# Altium PCB mppt.PcbDoc (part 2 of 5) (continued)
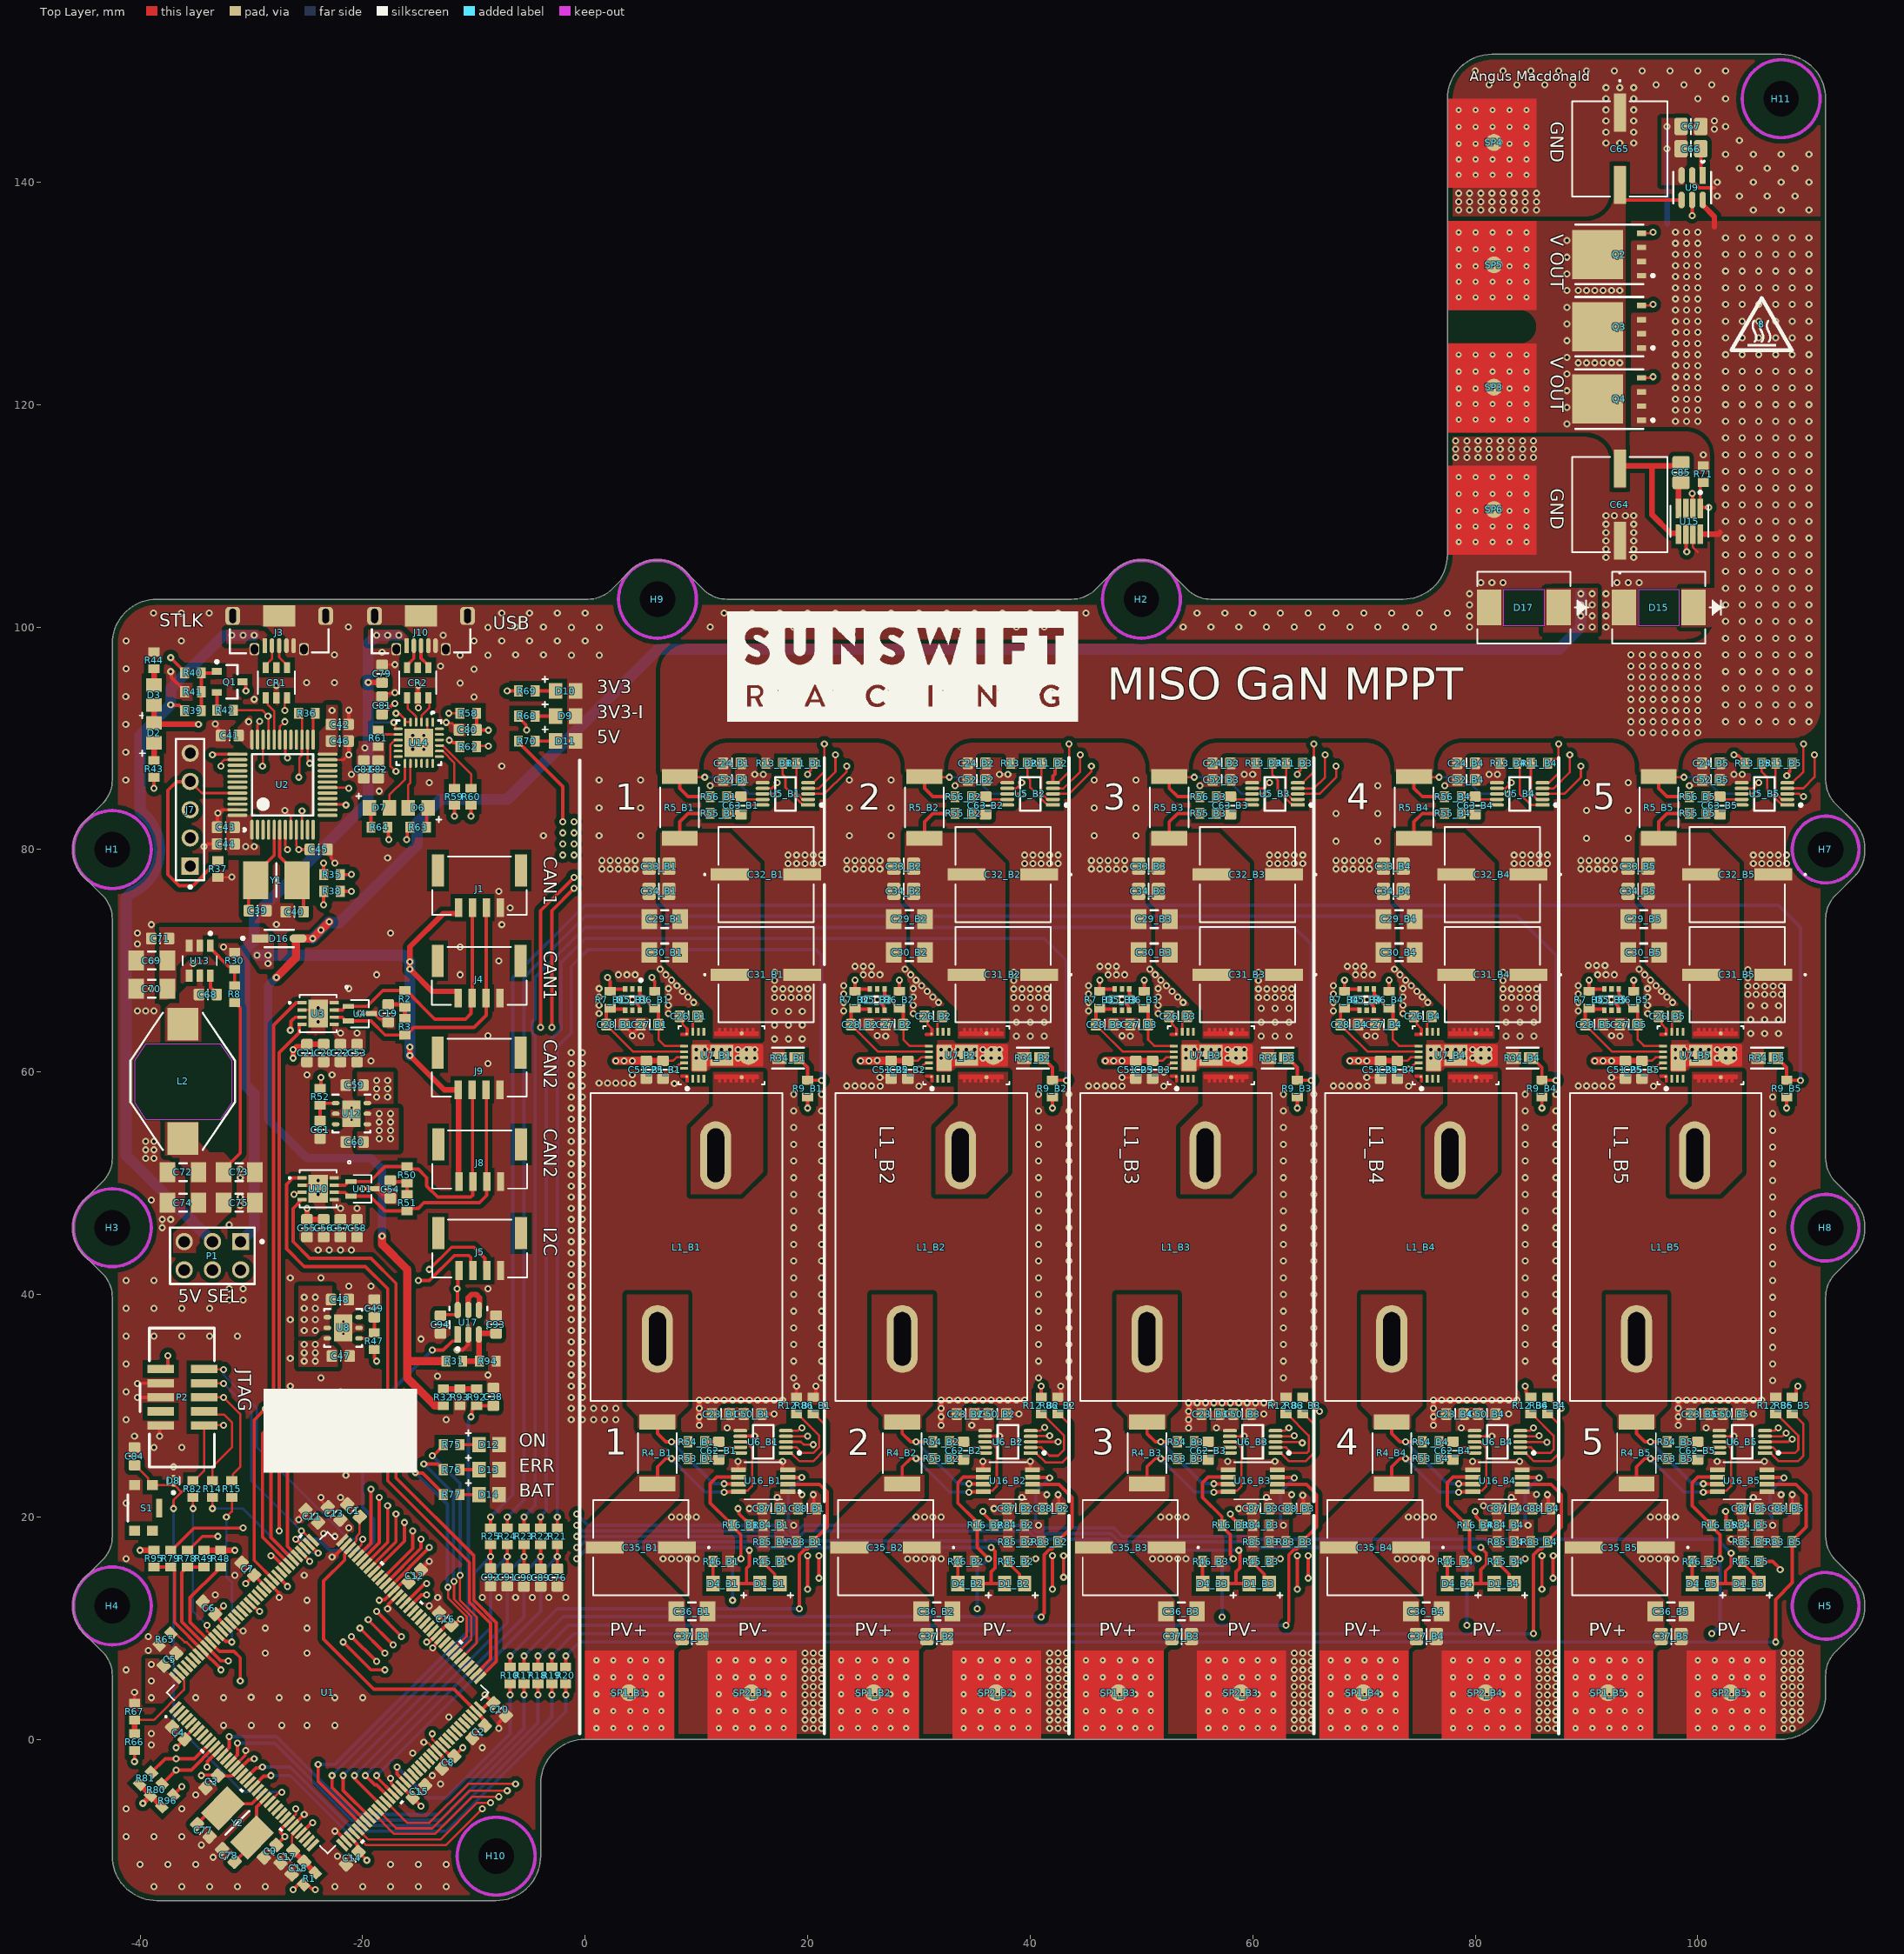
[diagram p0: Top Layer view]
## Part data (continued)
C39 C40 C77 C78: library part CMP-00295-1, "0603 33 pF 50 V ±5 % Tolerance C0G/NP0 SMT Multilayer Ceramic Capacitor", Case/Package=0603, Dielectric=C0G, Dielectric Material=Ceramic, Max Operating Temperature=125°C, Min Operating Temperature=-55°C, Tolerance=5%, Voltage Rating (DC)=50V, China RoHS=Compliant, Composition=Ceramic, Country of Origin="Mainland China, Taiwan", Depth=800µm, Export Control Classification Number (ECCN) Code=EAR99, Halogen Free="Halogen Free", Harmonized Tariff Schedule (HTS) Code=8532.24.00.20, Height=800µm, Introduction Date=2003-08-13, Lead Free="Lead Free", Length=1.6mm, Lifecycle Status=Production, Mounting Technology="Surface Mount", Number of Terminals=2, Packaging="Tape and Reel", Radiation Hardening=No, REACH SVHC=Yes, RoHS=Compliant, Width=800µm
C47 C48 C59 C60 C80 C82: library part CMP-00273-1, "16V 4.7uF X5R ±10% 0603 Multilayer Ceramic Capacitors MLCC - SMD/SMT ROHS", Case Code (Imperial)=0603, Case Code (Metric)=1608, Dielectric=X5R, Dielectric Material=Ceramic, Max Operating Temperature=85°C, Min Operating Temperature=-55°C, Tolerance=10%, Voltage Rating=16V, Case/Package=0603, China RoHS=Compliant, Composition=Ceramic, Country of Origin="Mainland China, Taiwan", Depth=800µm, Export Control Classification Number (ECCN) Code=EAR99, Halogen Free="Halogen Free", Harmonized Tariff Schedule (HTS) Code=8532.24.00.20, Height=800µm, Introduction Date=2013-02-05, Lead Free="Lead Free", Length=1.6mm, Lifecycle Status=Production, Material=Ceramic, Mounting Technology="Surface Mount", Number of Terminals=2, REACH SVHC=Yes, RoHS=Compliant, Schedule B="8532240020, 8532240020", Termination=SMD/SMT, Thickness=939.8µm, Voltage Rating (DC)=16V, Weight=2.012816mg, Width=800µm
C62_B1 C62_B2 C62_B3 C62_B4 C62_B5 C63_B1 C63_B2 C63_B3 C63_B4 C63_B5 C68 C71: library part CMP-00275-1, "Ceramic Capacitor, Ceramic, 100V, 5% +Tol, 5% -Tol, X7R, 0.15 TC, 0.1uF, Surface Mount, 0603", Case/Package=0603, Dielectric Material=Ceramic, Max Operating Temperature=125°C, Min Operating Temperature=-55°C, Voltage Rating (DC)=100V, China RoHS=Compliant, Height=800µm, Length=1.6mm, Lifecycle Status=Production, Mounting Technology="Surface Mount", Number of Terminals=2, REACH SVHC=Yes, RoHS=Compliant, Width=800µm
C72 C73 C74 C75: library part CMP-00279-1, "10V 22uF X7R ±10% 1206 Multilayer Ceramic Capacitors MLCC - SMD/SMT ROHS", Case Code (Imperial)=1206, Case Code (Metric)=3216, Dielectric=X7R, Dielectric Material=Ceramic, Max Operating Temperature=125°C, Min Operating Temperature=-55°C, Tolerance=10%, Voltage Rating=10V, Case/Package=1206, China RoHS=Compliant, Composition=Ceramic, Country of Origin="Mainland China, Taiwan", Export Control Classification Number (ECCN) Code=EAR99, Halogen Free="Halogen Free", Harmonized Tariff Schedule (HTS) Code=8532.24.00.20, Height=1.6mm, Introduction Date=2014-07-08, Lead Free="Lead Free", Length=3.2mm, Lifecycle Status=Production, Mounting Technology="Surface Mount", Number of Terminals=2, Packaging="Tape & Reel (TR)", REACH SVHC=Yes, RoHS=Compliant, Schedule B="8532240020, 8532240020", Termination=SMD/SMT, Thickness=1.8034mm, Voltage Rating (DC)=10V, Weight=16.187578mg, Width=1.6mm
C93: library part CMP-00293-1, "Surface Mount Ceramic Multilayer Capacitor 0.001uF 10% X7R 50V 0603 Paper T/R", Case Code (Imperial)=0603, Case Code (Metric)=1608, Dielectric=X7R, Dielectric Material=Ceramic, Insulation Resistance=100GΩ, Max Operating Temperature=125°C, Min Operating Temperature=-55°C, Tolerance=10%, Voltage=50V, Case/Package=0603, China RoHS=Compliant, Composition=Ceramic, Depth=800µm, Halogen Free="Halogen Free", Height=800µm, Lead Free="Lead Free", Length=1.6mm, Lifecycle Status=Production, Material=Ceramic, Mounting Technology="Surface Mount", Number of Terminals=2, Pins=2, Radiation Hardening=No, REACH SVHC=Yes, RoHS=Compliant, Schedule B="8532240020, 8532240020", Termination=SMD/SMT, Thickness=889µm, Voltage Rating=50V, Voltage Rating (DC)=50V, Width=800µm
CR1 CR2: library part CMP-304-000000-1, "ESD Protection for USB 2.0 High Speed", Manufacturer_Name=STMicroelectronics, Copyright="Copyright (C) 2025 Ultra Librarian. All rights reserved.", Design Item ID=USBLC6-2SC6, Manufacturer_Part_Number=USBLC6-2SC6, RefDes=RefDes, Source=USBLC6-2SC6.SchLib, Type=Type
D1_B1 D1_B2 D1_B3 D1_B4 D1_B5 D2 D7 D9 D10 D11 D12 D14: library part CMP-002-000017-2, "Emerald 0805  Light Emitting Diodes (LED) ROHS GREEN JLCPCB PICK&PLACE", Color=Emerald, JLCPCB Part #=C2297, Manufacturer="Hubei KENTO Elec", MFR.Part #=C2297
D3 D4_B1 D4_B2 D4_B3 D4_B4 D4_B5 D6 D13: library part CMP-002-000018-2, "Red 0805  Light Emitting Diodes (LED) ROHS JLCPCB PICK&PLACE", Color=Red, JLCPCB Part #=C84256, Manufacturer="Foshan NationStar Optoelectronics", MFR.Part #=C84256
D5_B1 D5_B2 D5_B3 D5_B4 D5_B5: library part CMP-002-000050-1, "MBD54DWT1G Series 30 V 600 mA Dual Schottky Barrier Diode - SOT-363", Average Rectified Current=200mA, Case/Package=SOT-363-6, Forward Voltage=1V, Manufacturer Lifecycle Status=ACTIVE, Max Forward Surge Current (Ifsm)=600mA, Max Operating Temperature=125°C, Max Power Dissipation=150mW, Max Repetitive Reverse Voltage (Vrrm)=30V, Max Reverse Leakage Current=2µA, Min Operating Temperature=-55°C, Reverse Standoff Voltage=25V, China RoHS=Compliant, Contact Plating=Tin, Country of Origin="Mainland China", Current Rating=200mA, Element Configuration=Dual, Export Control Classification Number (ECCN) Code=EAR99, Forward Current=200mA, Halogen Free="Halogen Free", Harmonized Tariff Schedule (HTS) Code=8541.10.00.70, Height=1mm, Introduction Date=2000-08-27, Lead Free="Lead Free", Length=2.2mm, Lifecycle Status=Production, Max Output current=200mA, Max Reverse Voltage (DC)=30V, Max Surge Current=600mA, Min Breakdown Voltage=30V, Number of Elements=2, Number of Terminals=6, Packaging="Tape and Reel", Peak Non-Repetitive Surge Current=600mA, Peak Reverse Current=2µA, Pins=6, Power Dissipation=150mW, Radiation Hardening=No, REACH SVHC=Yes, Recovery Time=5ns, Reverse Recovery Time=5ns, RoHS=Compliant, Schedule B="8541100070, 8541100070", Termination=SMD/SMT, Voltage Rating (DC)=30V, Width=1.35mm
D8: library part CMP-002-000051-1, "20W 6.1V 6.1V 3V 0201 ESD and Surge Protection (TVS/ESD) ROHS", Breakdown Voltage=7.05V, Case Code (Imperial)=0201, Case/Package=SMD/SMT, Clamping Voltage=21V, Leakage Current=100nA, Max Breakdown Voltage=8V, Max Junction Temperature (Tj)=125°C, Max Power Dissipation=20W, Max Repetitive Reverse Voltage (Vrrm)=3V, Min Breakdown Voltage=6.1V, Min Operating Temperature=-40°C, Peak Pulse Current=2A, Power Line Protection=No, Test Current=1mA, China RoHS=Compliant, Composition=Zener, Country of Origin="Mainland China", Depth=300µm, Direction=Unidirectional, Element Configuration=Single, ESD Protection=Yes, Export Control Classification Number (ECCN) Code=EAR99, Harmonized Tariff Schedule (HTS) Code=8541.10.00.50, Height=330µm, Introduction Date=2008-10-13, Lead Free="Lead Free", Length=600µm, Lifecycle Status=Obsolete, Max Operating Temperature=125°C, Max Reverse Leakage Current=100nA, Mounting Technology="Surface Mount", Number of Channels=1, Number of Elements=1, Number of Terminals=2, Number of Unidirectional Channels=1, Peak Pulse Power=20W, Peak Reverse Current=100nA, Pins=2, Polarity=Unidirectional, Power Dissipation=20W, Radiation Hardening=No, REACH SVHC=Yes, Reverse Breakdown Voltage=6.1V, Reverse Standoff Voltage=3V, RoHS=Compliant, Schedule B="8536300000, 8536300000", Termination=SMD/SMT, Width=350µm
D15 D17: library part CMP-371-000000-3, "Description", Manufacturer_Name="Littelfuse Inc", Copyright="Copyright (C) 2025 Ultra Librarian. All rights reserved.", Design Item ID=5.0SMDJ58A, Manufacturer_Part_Number=5.0SMDJ58A, Source=5P0SMDJ58A.SchLib
D16: library part CMP-002-000047-1, "Rectifier Diode Schottky 1A Automotive 2-Pin SOD-123F / DIODE SCHOTTKY 60V 1A SOD123F", Forward Current=1A, Forward Voltage=250mV, Max Forward Surge Current (Ifsm)=9A, Max Operating Temperature=150°C, Max Power Dissipation=375mW, Max Repetitive Reverse Voltage (Vrrm)=60V, Min Operating Temperature=-65°C, Peak Reverse Current=50µA, China RoHS=Compliant, Contact Plating=Tin, Country of Origin="Mainland China", Element Configuration=Single, Export Control Classification Number (ECCN) Code=EAR99, Harmonized Tariff Schedule (HTS) Code=8541.10.00.80, Introduction Date=2006-04-18, Lifecycle Status=Production, Max Output current=1A, Number of Elements=1, Number of Terminals=2, Packaging="Cut Tape", Pins=2, REACH SVHC=Yes, Reverse Standoff Voltage=60V, RoHS=Compliant, Termination=SMD/SMT
H1 H2 H3 H4 H5 H7 H8 H9 H10 H11: library part CMP-00278-2, "Non-plated M3 Mounting hole."
J1 J4 J5 J8 J9: library part CMP-189-000000-2, "Description", Manufacturer_Name=JST, Copyright="Copyright (C) 2026 Ultra Librarian. All rights reserved.", Design Item ID=BM04B-GHS-TBT, Manufacturer_Part_Number=BM04B-GHS-TBT, RefDes=RefDes, Source=BM04B-GHS-TBT.SchLib, Type=Type
J3 J10: library part CMP-014-000015-2, "USB Connector Micro-AB SMD, 5 Contact(s), Female, Right Angle, Surface Mount Terminal, Locking, Receptacle, JLCPCB, PICK&PLACE", JLCPCB Part #=C136001, Manufacturer=MOLEX, MFR.Part #=475900001, Source=https://jlcpcb.com/partdetail/Molex-475900001/C136001
J7: library part CMP-014-000025-1, "Board Connector, 5 Contact(s), 1 Row(s), Male, Straight, 0.1 inch Pitch, Solder Terminal, Black Insulator, Receptacle", Contact Resistance=20mR, Dielectric Withstanding Voltage (DC)=350V, Flammability Rating="UL94 V-0", Insulation Color=Black, Insulation Resistance=5GR, Max Operating Temperature=125°C, Min Operating Temperature=-55°C, Rated Current (Signal)=3A, Body Breadth=0.1inch, Body Depth=0.098inch, Body Length=0.5inch, Body/Shell Style=RECEPTACLE, Connector Type="BOARD CONNECTOR", Contact Finish - Mating="NOT SPECIFIED", Contact Finish - Termination="Gold (Au)", Contact Gender=Male, Contact Material="Copper Alloy", Contact Pattern=RECTANGULAR, Contact Style="SQ PIN-SKT", DIN Conformance=No, Filter Feature=No, IEC Conformance=No, Insertion Force-Max=3.0024N, Insulation Material=Glass, JESD-609 Code=e4, Mating Contact Pitch=0.1inch, Mating Information="MULTIPLE MATING PARTS AVAILABLE", MIL Conformance=No, Mixed Contacts=No, Mounting Style=STRAIGHT, Mounting Technology=Board, Number Of Connectors=1, Number of Contacts=5, Number Of PCB Rows=1, Number of Rows Loaded=1, Option="General Purpose", PCB Contact Pattern=RECTANGULAR, Plating Thickness=160uin, Reach SVHC Compliant=Yes, Reference Standard=UL, Reliability=COMMERCIAL, RoHS Compliant=Yes, Terminal Length=0.114inch, Terminal Pitch=2.54mm, Termination=Solder, Withdrawl Force-Min=0.1946N
L1_B1 L1_B2 L1_B3 L1_B4 L1_B5: library part CMP-050-000031-4, "Description", Manufacturer_Name=Coilcraft, Copyright="Copyright (C) 2026 Ultra Librarian. All rights reserved.", Design Item ID=VER2923-333KL, Manufacturer_Part_Number=VER2923-333KL, Source=VER2923-333KL.SchLib
L2: library part CMP-050-000032-1, "General Purpose Inductor, 15uH, 20%, 1 Element, Ferrite-Core, SMD, 5137", DC Resistance (DCR)=46mΩ, Inductance Tolerance=20%, Max Current Rating=3.1A, Max Operating Temperature=85°C, Min Operating Temperature=-40°C, Saturation Current=3A, Self Resonant Frequency=27MHz, Test Frequency=100kHz, Core Material=Ferrite, Country of Origin="Mainland China", Export Control Classification Number (ECCN) Code=EAR99, Harmonized Tariff Schedule (HTS) Code=8504.50.80.00, Height=5.21mm, Introduction Date=2005-05-06, Lead Free="Contains Lead", Length=12.95mm, Lifecycle Status=Production, Max DC Current=3.1A, Number of Circuits=1, Number of Terminals=2, Packaging="Cut Tape", REACH SVHC=Yes, RMS Current (Irms)=3.1A, RoHS=Compliant, Shielding=Unshielded, Termination=SMD/SMT, Tolerance=20%, Width=9.4mm
P1: library part CMP-014-000047-1, "CONN HEADER VERT 6POS 2.54MM / Connector Header Through Hole 6 position 0.100\" (2.54mm)", Color=Black, Manufacturer Lifecycle Status=PRODUCTION, Max Current Rating=7.6A, Max Operating Temperature=125°C, Max Voltage Rating (AC)=550V, Min Operating Temperature=-55°C, Connector Type="Male Pin", Contact Material=Bronze, Contact Mating Length=5.842mm, Contact Plating=Gold, Depth=5.08mm, Gender=Male, Housing Color=Black, Housing Material=Polyester, Lead Free="Lead Free", Lead Pitch=2.54mm, Lifecycle Status=Production, Mounting Technology="Through Hole", Number of Contacts=6, Number of Positions=6, Number of Rows=2, Orientation=Straight, Packaging=Bulk, Pins=6, Pitch=2.54mm, Radiation Hardening=No, REACH SVHC=No, RoHS=Compliant, Row Spacing=2.54mm, Termination=Solder, Width=5.08mm
P2: library part CMP-CON-00005-10, "ARM Coresight 10 Header", JLCPCB Part #=C5250218, Manufacturer Part Number=3220-10-0300-00, ComponentLink1Description=Digikey, ComponentLink1URL=https://www.digikey.com.au/en/products/detail/cnc-tech/3220-10-0300-00/3883266?s=N4IgTCBcDaIIxwOwFYC0cBsYCcqByAIiALoC%2BQA
Q1: library part CMP-001-0003-7, "NPN general-purpose transistors in a small SOT23 (TO-236AB) Surface-Mounted Device (SMD)", JLCPCB Part #=C5336792, ComponentLink1Description=Mouser, ComponentLink1URL=https://au.mouser.com/ProductDetail/Nexperia/BC847C-QR?qs=e8oIoAS2J1RqA3Lgar2wrA%3D%3D, Manufacturer Part Number=BC847C-QR
Q2 Q3 Q4: library part CMP-060-000024-2, "On a Reel of 5000, N-Channel MOSFET, 100 A, 100 V, 8-Pin TDSON Infineon BSC040N10NS5ATMA1", Continuous Drain Current (ID)=18A, Drain to Source Breakdown Voltage=100V, Drain to Source Resistance=4mΩ, Gate to Source Voltage (Vgs)=20V, Input Capacitance=4.1nF, Max Junction Temperature (Tj)=150°C, Max Power Dissipation=2.5W, Min Operating Temperature=-55°C, Package Quantity=5000, Power Dissipation=139W, China RoHS=Non-Compliant, Contact Plating=Tin, Country of Origin="Austria, Germany, Mainland China, Malaysia", Drain to Source Voltage (Vdss)=100V, Element Configuration=Single, Export Control Classification Number (ECCN) Code=EAR99, Fall Time=10ns, Halogen Free="Halogen Free", Height=1.1mm, Introduction Date=2015-01-07, Lead Free="Contains Lead", Lifecycle Status=Production, Max Dual Supply Voltage=100V, Max Operating Temperature=150°C, Min Breakdown Voltage=100V, Mounting Technology="Surface Mount", Number of Channels=1, Number of Elements=1, Number of Terminals=5, On-State Resistance=4mΩ, Packaging="Tape & Reel", Pins=8, Rds On Max=4mΩ, REACH SVHC=No, Rise Time=9ns, RoHS=Compliant, Schedule B="8541290080, 8541290080", Turn-Off Delay Time=32ns, Turn-On Delay Time=13ns, Weight=506.605978mg
R1 R10 R11_B1 R11_B2 R11_B3 R11_B4 R11_B5 R12_B1 R12_B2 R12_B3 R12_B4 R12_B5 R13_B1 R13_B2 R13_B3 R13_B4 R13_B5 R14 R15 R17 R18 R19 R20 R58 R59 R60 R78 R79 R82 R86_B1 R86_B2 R86_B3 R86_B4 R86_B5: library part CMP-RES-00050-1, "GENERAL PURPOSE CHIP RESISTOR Metal Glaze/thick Film, 0.1W, 0ohm, Surface Mount, 0603", Case Code (Imperial)=0603, Max Operating Temperature=155°C, Min Operating Temperature=-55°C, Power Dissipation=100mW, Temperature Coefficient=200ppm/°C, Tolerance=1%, Voltage Rating=50V, Case/Package=0603, China RoHS=Non-Compliant, Composition="Thick Film", Contact Plating=Tin, Country of Origin="Mainland China, Taiwan", Depth=800µm, Export Control Classification Number (ECCN) Code=EAR99, Harmonized Tariff Schedule (HTS) Code=8533.21.00.30, Height=450µm, Introduction Date=2001-06-08, Lead Free="Lead Free", Length=1.6mm, Lifecycle Status=Production, Military Standard=Not, Mounting Technology="Surface Mount", Number of Terminals=2, Packaging="Cut Tape", Pins=2, Power Rating=100mW, Radiation Hardening=No, REACH SVHC=Yes, RoHS=Compliant, Termination=SMD/SMT, Voltage Rating (DC)=50V, Width=800µm
R2 R3 R50 R51: library part CMP-RES-00051-1, "Res Thick Film 0603 60.4 Ohm 1% 0.1W(1/10W) ±100ppm/C Pad SMD T/R", Case Code (Imperial)=0603, Max Operating Temperature=155°C, Min Operating Temperature=-55°C, Power Dissipation=100mW, Temperature Coefficient=100ppm/°C, Tolerance=1%, Voltage Rating=75V, Voltage Rating (DC)=50V, Case/Package=0603, China RoHS=Non-Compliant, Composition="Thick Film", Country of Origin="Mainland China, Taiwan", Depth=800µm, Export Control Classification Number (ECCN) Code=EAR99, Harmonized Tariff Schedule (HTS) Code=8533.21.00.30, Height=450µm, Introduction Date=2004-09-22, Lead Free="Lead Free", Length=1.6mm, Lifecycle Status=Production, Military Standard=Not, Mounting Technology="Surface Mount", Number of Terminals=2, Packaging="Tape & Reel", Power Rating=100mW, REACH SVHC=Yes, RoHS=Compliant, Schedule B="8533210045, 8533210045", Termination=SMD/SMT, Width=800µm, Working Voltage=75V
R4_B1 R4_B2 R4_B3 R4_B4 R4_B5 R5_B1 R5_B2 R5_B3 R5_B4 R5_B5: library part CMP-RES-00090-4, "WSLF2512 .003 1% EB e3", Manufacturer_Name=Vishay, Copyright="Copyright (C) 2026 Ultra Librarian. All rights reserved.", Datasheet=https://www.vishay.com/doc?30193, Design Item ID=WSLF25123L000FEB, Manufacturer_Part_Number=WSLF25123L000FEB, Source=WSLF25123L000FEB.SchLib
R6_B1 R6_B2 R6_B3 R6_B4 R6_B5 R7_B1 R7_B2 R7_B3 R7_B4 R7_B5 R36 R40 R53_B1 R53_B2 R53_B3 R53_B4 R53_B5 R54_B1 R54_B2 R54_B3 R54_B4 R54_B5 R55_B1 R55_B2 R55_B3 R55_B4 R55_B5 R56_B1 R56_B2 R56_B3 R56_B4 R56_B5: library part CMP-RES-00083-1, "Yageo RC0603FR-07100RL 0603 SMD Resistor 100 Ohm thin film chip resistor", Case Code (Imperial)=0603, Max Operating Temperature=155°C, Min Operating Temperature=-55°C, Power Dissipation=100mW, Temperature Coefficient=100ppm/°C, Tolerance=1%, Voltage Rating=75V, Voltage Rating (DC)=50V, Case Code (Metric)=0603, Case/Package=0603, China RoHS=Non-Compliant, Composition="Thick Film", Contact Plating=Tin, Depth=800µm, Height=450µm, Lead Free="Lead Free", Length=1.6mm, Lifecycle Status=Production, Military Standard=Not, Mounting Technology="Surface Mount", Number of Terminals=2, Packaging="Cut Tape (CT)", Pins=2, Power Rating=100mW, Radiation Hardening=No, REACH SVHC=Yes, RoHS=Compliant, Schedule B="8533210045, 8533210045", Termination=SMD/SMT, Width=800µm, Working Voltage=75V
R8 R31 R32 R37 R38: library part CMP-RES-00026-1, "Res General Purpose Thick Film 0603 100k Ohm 1% 1/10W ±100ppm/°C Molded Paper T/R", Case Code (Imperial)=0603, Max Operating Temperature=155°C, Min Operating Temperature=-55°C, Power Dissipation=100mW, Temperature Coefficient=100ppm/°C, Tolerance=1%, Voltage Rating=75V, Voltage Rating (DC)=50V, Case Code (Metric)=0603, Case/Package=0603, China RoHS=Non-Compliant, Composition="Thick Film", Depth=800µm, Height=450µm, Lead Free="Lead Free", Length=1.6mm, Lifecycle Status=Production, Military Standard=Not, Mounting Technology="Surface Mount", Number of Terminals=2, Number of Terminations=2, Packaging="Tape & Reel", Pins=2, Power Rating=100mW, REACH SVHC=Yes, RoHS=Compliant, Schedule B="8533210045, 8533210045", Termination=SMD/SMT, Width=800µm, Working Voltage=75V
R9_B1 R9_B2 R9_B3 R9_B4 R9_B5 R35 R39 R41 R47 R52 R65 R66 R67 R71 R83_B1 R83_B2 R83_B3 R83_B4 R83_B5 R84_B1 R84_B2 R84_B3 R84_B4 R84_B5 R85_B1 R85_B2 R85_B3 R85_B4 R85_B5: library part CMP-RES-00040-1, "10 kOhms ±1% 0.1W, 1/10W Chip Resistor 0603 (1608 Metric) Moisture Resistant Thick Film", Case/Package=0603, Tolerance=1%
R16_B1 R16_B2 R16_B3 R16_B4 R16_B5 R48 R49 R80 R81 R95 R96: library part CMP-RES-00087-1, "Yageo RC0603FR-074K7L Resistor 0603 SMD 4.7k Ohm 1% 100mW Thick Film", Case Code (Imperial)=0603, Max Operating Temperature=155°C, Min Operating Temperature=-55°C, Power Rating=100mW, Temperature Coefficient=100ppm/°C, Tolerance=1%, Voltage Rating=75V, Voltage Rating (DC)=50V, Case/Package=0603, China RoHS=Non-Compliant, Composition="Thick Film", Contact Plating=Tin, Country of Origin="Mainland China, Taiwan", Depth=800µm, Export Control Classification Number (ECCN) Code=EAR99, Harmonized Tariff Schedule (HTS) Code=8533.21.00.30, Height=450µm, Introduction Date=2004-09-22, Lead Free="Lead Free", Lead Pitch=300µm, Length=1.6mm, Lifecycle Status=Production, Military Standard=Not, Mounting Technology="Surface Mount", Number of Terminals=2, Packaging="Tape & Reel", Pins=2, Radiation Hardening=No, REACH SVHC=Yes, RoHS=Compliant, Schedule B="8533210045, 8533210045", Termination=SMD/SMT, Width=800µm, Working Voltage=75V
R21 R22 R23 R24 R25 R43 R44 R45_B1 R45_B2 R45_B3 R45_B4 R45_B5 R46_B1 R46_B2 R46_B3 R46_B4 R46_B5 R62 R63 R64 R68 R69 R70 R75 R76 R77 R92: library part CMP-RES-00029-1, "1 kOhms ±1% 0.1W, 1/10W Chip Resistor 0603 (1608 Metric) Moisture Resistant Thick Film", Case/Package=0603, Tolerance=1%
R30: library part CMP-RES-00091-1, "100mW Thick Film Resistors 75V ±100ppm/℃ ±1% 19.1kΩ 0603 Chip Resistor - Surface Mount ROHS", Case Code (Imperial)=0603, Max Operating Temperature=155°C, Min Operating Temperature=-55°C, Power Rating=100mW, Temperature Coefficient=100ppm/°C, Tolerance=1%, Voltage Rating=75V, Voltage Rating (DC)=50V, Case/Package=0603, China RoHS=Non-Compliant, Composition="Thick Film", Contact Plating=Tin, Depth=800µm, Height=450µm, Lead Free="Lead Free", Length=1.6mm, Lifecycle Status=Production, Military Standard=Not, Mounting Technology="Surface Mount", Number of Terminals=2, Number of Terminations=2, Packaging="Tape & Reel", REACH SVHC=Yes, RoHS=Compliant, Schedule B="8533210045, 8533210045", Termination=SMD/SMT, Width=800µm, Working Voltage=75V
R34_B1 R34_B2 R34_B3 R34_B4 R34_B5: library part CMP-00271-1, "NTC Thermistors; MURATA; NCU18XH103F6SRB; 10 kOhm; 1 %; 0603; 950 µm", Case Code (Imperial)=0603, Case Code (Metric)=1608, Max Current Rating=100µA, Max Operating Temperature=150°C, Min Operating Temperature=-55°C, Ratings=AEC-Q200, Tolerance=1%, Voltage Rating=5V, Case/Package=0603, Export Control Classification Number (ECCN) Code=EAR99, Harmonized Tariff Schedule (HTS) Code=8533.40.80.70, Height=800µm, Introduction Date=2016-05-16, Length=1.6mm, Lifecycle Status=Production, Mounting Technology="Surface Mount", Number of Terminals=2, REACH SVHC=Yes, RoHS=Compliant, Schedule B="8533400080, 8533400080", Width=800µm, Working Voltage=5V
R42: library part CMP-RES-00084-1, "Res General Purpose Thick Film 0603 1.5k Ohm 5% 1/10W ±100ppm/°C Molded Paper T/R", Case Code (Imperial)=0603, Max Operating Temperature=155°C, Max Power Dissipation=100mW, Min Operating Temperature=-55°C, Temperature Coefficient=100ppm/°C, Tolerance=5%, Voltage Rating=75V, Voltage Rating (AC)=50V, Case/Package=0603, China RoHS=Non-Compliant, Composition="Thick Film", Contact Plating=Tin, Depth=800µm, Features="Moisture Resistant", Height=450µm, Lead Free="Lead Free", Length=1.6mm, Lifecycle Status=Production, Military Standard=Not, Mounting Technology="Surface Mount", Number of Terminals=2, Number of Terminations=2, Packaging="Tape & Reel", Pins=2, Power Dissipation=100mW, Power Rating=100mW, Radiation Hardening=No, REACH SVHC=Yes, RoHS=Compliant, Schedule B="8533210045, 8533210045", Termination=SMD/SMT, Voltage Rating (DC)=50V, Weight=2.012816mg, Width=800µm, Working Voltage=75V
R61: library part CMP-RES-00092-1, "100Mw Thick Film Resistors 100Ppm/ 1% 2.2K 0603 Chip Resistor Surface Mount Rohs", Case Code (Imperial)=0603, Max Operating Temperature=155°C, Max Power Dissipation=100mW, Min Operating Temperature=-55°C, Temperature Coefficient=100ppm/°C, Tolerance=1%, Voltage Rating=75V, Voltage Rating (DC)=50V, Case Code (Metric)=0603, Case/Package=0603, China RoHS=Non-Compliant, Composition="Thick Film", Contact Plating=Tin, Country of Origin="Mainland China, Taiwan", Depth=800µm, Export Control Classification Number (ECCN) Code=EAR99, Features="Moisture Resistant", Harmonized Tariff Schedule (HTS) Code=8533.21.00.30, Height=450µm, Introduction Date=2004-09-22, Lead Free="Lead Free", Length=1.6mm, Lifecycle Status=Production, Military Standard=Not, Mounting Technology="Surface Mount", Number of Terminals=2, Number of Terminations=2, Packaging="Tape & Reel", Pins=2, Power Rating=100mW, Radiation Hardening=No, REACH SVHC=Yes, RoHS=Compliant, Schedule B="8533210045, 8533210045", Termination=SMD/SMT, Width=800µm, Working Voltage=75V
R93: library part CMP-RES-00100-1, "0603 5.23K ohms 1% thick film surface mount chip resistor", Case Code (Imperial)=0603, Case Code (Metric)=1608, Max Operating Temperature=155°C, Min Operating Temperature=-55°C, Power Rating=100mW, Temperature Coefficient=100ppm/°C, Tolerance=1%, Voltage Rating=50V, Working Voltage=75V, Case/Package=0603, China RoHS=Non-Compliant, Composition="Thick Film", Contact Plating=Tin, Country of Origin="Mainland China, Taiwan", Export Control Classification Number (ECCN) Code=EAR99, Harmonized Tariff Schedule (HTS) Code=8533.21.00.30, Height=450µm, Introduction Date=2004-09-22, Length=1.6mm, Lifecycle Status=Production, Mounting Technology="Surface Mount", Number of Terminals=2, Packaging="Tape & Reel", Radiation Hardening=No, REACH SVHC=Yes, RoHS=Compliant, Termination=SMD/SMT, Width=800µm
R94: library part CMP-RES-00099-1, "100mW Thick Film Resistors 75V ±100ppm/℃ ±1% 2.05kΩ 0603 Chip Resistor - Surface Mount ROHS", Case Code (Imperial)=0603, Max Operating Temperature=155°C, Max Power Dissipation=100mW, Min Operating Temperature=-55°C, Temperature Coefficient=100ppm/°C, Tolerance=1%, Voltage Rating=75V, Voltage Rating (DC)=50V, Case/Package=0603, China RoHS=Non-Compliant, Composition="Thick Film", Country of Origin="Mainland China, Taiwan", Depth=800µm, Export Control Classification Number (ECCN) Code=EAR99, Features="Moisture Resistant", Harmonized Tariff Schedule (HTS) Code=8533.21.00.30, Height=450µm, Introduction Date=2004-09-22, Lead Free="Lead Free", Length=1.6mm, Lifecycle Status=Production, Military Standard=Not, Mounting Technology="Surface Mount", Number of Terminals=2, Number of Terminations=2, Power Rating=100mW, REACH SVHC=Yes, RoHS=Compliant, Schedule B="8533210045, 8533210045", Termination=SMD/SMT, Width=800µm, Working Voltage=75V
S1: library part CMP-011-00000-2, "Tactile Switches SPST Rnd Bttn Gull .05A 32VDC 1W SMD", JLCPCB Part #=C72443, Manufacturer Part Number=KMR221GLFS, ComponentLink1Description=Mouser, ComponentLink1URL=https://au.mouser.com/ProductDetail/CK/KMR221GLFS?qs=sb%252But3Lm4x2RtkMQYdEYMA%3D%3D
SP1_B1 SP1_B2 SP1_B3 SP1_B4 SP1_B5 SP2_B1 SP2_B2 SP2_B3 SP2_B4 SP2_B5 SP3 SP4 SP5 SP6: library part CMP-014-000043-5, "64mm^2 solder pad for wire to board connections,"
U1: library part CMP-015-000045-1, "High-performance and DSP with DP-FPU, Arm Cortex-M7 MCU with 2MBytes of Flash memory, 1MB RAM, 480 MHz CPU, Art Accelerator, L1 cache, external memory interface, large set of peripherals", Manufacturer_Name=STMicroelectronics, Copyright="Copyright (C) 2025 Ultra Librarian. All rights reserved.", Design Item ID=STM32H743ZIT6, Manufacturer_Part_Number=STM32H743ZIT6, RefDes=RefDes, Source=STM32H743ZIT6.SchLib, Type=Type
U2: library part CMP-015-000003-2, "RISC Microcontroller, 32-Bit, FLASH, CORTEX-M3 CPU, 72MHz, CMOS, PQFP48", JLCPCB Part #=C8304
U3 U10: library part CMP-157-000000-1, "Automotive high-speed CAN transceiver 8-SON -40 to 125", Manufacturer_Name="Texas Instruments", Copyright="Copyright (C) 2025 Ultra Librarian. All rights reserved.", Datasheet=https://www.ti.com/lit/gpn/tcan1044-q1, Design Item ID=TCAN1044DRBRQ1, Manufacturer_Part_Number=TCAN1044DRBRQ1, RefDes=RefDes, Source=TCAN1044DRBRQ1.SchLib, Type=Type
U4 U11: library part CMP-002-000046-1, "Automotive dual-line TVS in SOT323-3L for CAN bus (24 V system)", Manufacturer_Name=STMicroelectronics, Copyright="Copyright (C) 2025 Ultra Librarian. All rights reserved.", Design Item ID=ESDCAN05-2BWY, Manufacturer_Part_Number=ESDCAN05-2BWY, RefDes=RefDes, Source=ESDCAN05-2BWY.SchLib, Type=Type
U5_B1 U5_B2 U5_B3 U5_B4 U5_B5 U6_B1 U6_B2 U6_B3 U6_B4 U6_B5: library part CMP-015-000056-2, "General Purpose Amplifiers; INA228AIDGSR; TEXAS INSTRUMENTS; 10; 3 mm; 3 mm; 5.5 V", Ambient Temperature Range High=125°C, Case/Package=VSSOP, Input Bias Current=10nA, Input Offset Voltage (Vos)=1mV, Manufacturer Lifecycle Status=ACTIVE, Max Junction Temperature (Tj)=150°C, Max Supply Voltage=5.5V, Min Operating Temperature=-40°C, Min Supply Voltage=2.7V, Nominal Supply Current=640µA, Output Current=10mA, Height=1.07mm, Length=3mm, Lifecycle Status=Production, Max Operating Temperature=125°C, Number of Channels=1, Pins=10, RoHS=Compliant, Thickness=1.02mm, Width=3mm
U7_B1 U7_B2 U7_B3 U7_B4 U7_B5: library part CMP-240-000000-3, "100V 2.6mâ„", Manufacturer_Name="Texas Instruments", Copyright="Copyright (C) 2025 Ultra Librarian. All rights reserved.", Design Item ID=LMG2100R026VBNR, Manufacturer_Part_Number=LMG2100R026VBNR, RefDes=RefDes, Source=LMG2100R026VBNR.SchLib, Type=TYPE
U8 U12: library part CMP-015-000054-1, "ST1L05 Series 1.3 A 3.3 V Fixed Output LDO BICMOS Voltage Regulator - DFN-6", Case/Package=DFN, Dropout Voltage=300mV, Max Junction Temperature (Tj)=125°C, Max Output current=1.3A, Max Supply Voltage=5.5V, Min Input Voltage=3V, Min Operating Temperature=0°C, Min Output Voltage=3.3V, Output Voltage Accuracy=2%, Quiescent Current=500µA, Voltage Tolerance=2.5%, Accuracy=2%, China RoHS=Compliant, Country of Origin=Malaysia, Export Control Classification Number (ECCN) Code=EAR99, Harmonized Tariff Schedule (HTS) Code=8542.39.00.60, Height - Seated (Max)=1mm, Introduction Date=2008-02-29, Lead Free="Lead Free", Length=3mm, Lifecycle Status=Production, Max Operating Temperature=125°C, Min Current Limit=1.3A, Mounting Technology="Surface Mount", Number of Channels=1, Number of Circuits=1, Number Of Outputs=1, Number of Regulators=1, Number of Terminals=6, Output Current=1.3A, Output Type=Fixed, Output Voltage=3.3V, Packaging="Cut Tape (CT)", Pins=6, Polarity=Positive, Radiation Hardening=No, REACH SVHC=Yes, RoHS=Compliant, Schedule B="8542390000, 8542390000", Terminal Pitch=950µm, Width=3mm
U9: library part CMP-015-000057-1, "3.2-V to 65-V, 80-uA IQ automotive ideal diode controller 6-SOT-23 -40 to 125", Ambient Temperature Range High=125°C, Case/Package=SOT-23, Manufacturer Lifecycle Status=ACTIVE, Max Junction Temperature (Tj)=150°C, Max Supply Voltage=65V, Min Operating Temperature=-40°C, Min Supply Voltage=3.2V, Nominal Supply Current=80µA, Height=0m, Length=2.9mm, Lifecycle Status=Production, Max Operating Temperature=125°C, Number Of Outputs=1, Pins=6, RoHS=Compliant, Schedule B=8542390000, Thickness=1.2mm, Width=1.6mm
U13: library part CMP-007-000012-2, "SIMPLE SWITCHERÂ® synchronous buck converter with 4.3V-to-60V, 2.5A and low quiescent current 6-SOT-23-THIN -40 to 150", Manufacturer_Name="Texas Instruments", Copyright="Copyright (C) 2026 Ultra Librarian. All rights reserved.", Design Item ID=LMR51625XDDCR, Manufacturer_Part_Number=LMR51625XDDCR, RefDes=RefDes, Source=LMR51625XDDCR.SchLib, Type=TYPE
U14: library part CMP-071-000004-1, "IC Usb to Uart Bridge QFN24 / Usb Bridge, Usb to Uart Usb 2.0 Uart Interface 24-QFN (4X4)", Ambient Temperature Range High=85°C, Manufacturer Lifecycle Status="FULL PRODUCTION", Max Junction Temperature (Tj)=105°C, Max Supply Voltage=3.6V, Min Operating Temperature=-40°C, Min Supply Voltage=3V, Nominal Supply Voltage (DC)=3.3V, Temperature Grade=Industrial, China RoHS=Compliant, Data Rate=1.5Mbps, Harmonized Tariff Schedule (HTS) Code=8542.31.00.30, Height=800µm, Height - Seated (Max)=800µm, Interface=UART, Introduction Date=2019-03-12, Length=4mm, Lifecycle Status=Production, Max Operating Temperature=85°C, Number of Digital IO=4, Number of Terminals=24, REACH SVHC=Yes, RoHS=Compliant, Schedule B="8542390000, 8542390000", Terminal Pitch=500µm, Width=4mm
U15: library part CMP-050-000033-2, "3.2-V to 65-V industrial RPP controller with load disconnect and OVP 8-SOT-23-THIN -40 to 125", Manufacturer_Name="Texas Instruments", Copyright="Copyright (C) 2026 Ultra Librarian. All rights reserved.", Design Item ID=LM74502DDFR, Manufacturer_Part_Number=LM74502DDFR, RefDes=RefDes, Source=LM74502DDFR.SchLib, Type=TYPE
U16_B1 U16_B2 U16_B3 U16_B4 U16_B5: library part CMP-365-000000-2, "-4-V to 110-V, 1.3-MHz, ultra-precise current-sense amplifier with comparator 8-VSSOP -40 to 125", Manufacturer_Name="Texas Instruments", Copyright="Copyright (C) 2025 Ultra Librarian. All rights reserved.", Design Item ID=INA310A2IDGKR, Manufacturer_Part_Number=INA310A2IDGKR, RefDes=RefDes, Source=INA310A2IDGKR.SchLib, Type=Linear
U17: library part CMP-365-000001-1, "Low-power comparator with reference (push-pull) 6-SOT-23 -40 to 125", Case/Package=SOT-23, Input Bias Current=1pA, Input Offset Voltage (Vos)=500µV, Manufacturer Lifecycle Status=ACTIVE, Max Input Current=10pA, Max Junction Temperature (Tj)=150°C, Max Operating Temperature=85°C, Max Supply Current=5µA, Max Supply Voltage=5.5V, Min Operating Temperature=-40°C, Min Supply Voltage=1.8V, Nominal Supply Current=2.8µA, Output Current=500µA, Power Supply Rejection Ratio (PSRR)=80dB, Common Mode Rejection Ratio=74dB, Contact Plating=Gold, Height=0m, Lead Free="Lead Free", Length=2.9mm, Lifecycle Status=Production, Mounting Technology="Surface Mount", Number of Channels=1, Number of Elements=1, Pins=6, Propagation Delay=13.5µs, Quiescent Current=5µA, Radiation Hardening=No, REACH SVHC=No, Response Time=6µs, RoHS=Compliant, Schedule B="8542390000, 8542390000", Thickness=1.2mm, Width=1.6mm
Y1 Y2: library part CMP-002-000019-2, "8MHz 20pF ±10ppm SMD5032-2P Crystals ROHS JLCPCB PICK&PLACE", Frequency=8MHz, JLCPCB Part #=C115962, Manufacturer="Yangxing Tech", MFR.Part #=X50328MSB2GI

## Via types
v1: diameter 0.635, hole 0.305, Top Layer to Bottom Layer, tented both sides, 2197 vias
v2: diameter 0.559, hole 0.203, Top Layer to Bottom Layer, tented both sides, 350 vias
v3: diameter 0.5, hole 0.2, Top Layer to Bottom Layer, 4 vias

## Nets (pads, with @x,y where several pads share a name; then routed paths per layer and width w, separated by ;. In a path a pad name is that pad's centre, name@x,y a point inside that pad or via, vN(x,y) a via of type N, cw(c..) or ccw(c..) an arc to the next point about the centre after c; other vN are vias at no path point)
3V3: C3.2 C4.2 C5.2 C6.2 C7.2 C8.2 C9.2 C10.2 C11.2 C12.2 C13.2 C14.2 C15.2 C16.2 C22.2 C41.2 C42.2 C43.2 C44.2 C45.2 C46.2 C48.2 C53.2 C57.2 C58.2 C80.2 C81.2 C94.2 J5.1 J7.1 P2.1 Q1.3 R1.1 R35.2 R38.2 R43.1 R48.2 R49.2 R58.1 R62.1 R63.2 R64.2 R66.1 R69.1 R80.2 R81.2 R95.2 R96.2 U1.6 U1.17 U1.30 U1.33 U1.39 U1.52 U1.62 U1.72 U1.84 U1.95 U1.108 U1.121 U1.131 U1.144 U2.1 U2.9 U2.24 U2.36 U2.48 U3.5 U8.4 U8.5 U10.5 U17.6 | length 72.4
  Top Layer w0.203: U1.30@-26.5,-7.25 -26.489,-7.25 -26,-6.761 v1(-26,-6.25) ; U2.9@-25.95,81.775 -25.95,80.317 -25.75,80.117 v1(-25.75,80) ; v1(-13.75,0.5) -13.75,-0.004 -13.093,-0.661 U1.62@-12.985,-0.661
  Top Layer w0.3: v1(-40.5,-2) R66.1@-40.5,-1 ; v1(-38.75,85.5) R43.1@-38.75,86.5 ; P2.1@-38.15,33.29 -37.73,33.29 -37.5,33.52 v1(-37.5,34.5) ; C5.2@-37.881,6.619 C5.2@-37.881,6.625 ; v1(-36.75,-0.75) C4.2@-36,0 -36,0.15 -35.082,1.067 U1.6@-35.082,1.106 ; v1(-34.5,-3.25) -34.463,-3.213 -33.037,-3.213 C3.2@-33,-3.25 -32.963,-3.287 -31.737,-3.287 -31.233,-2.783 U1.17@-31.193,-2.783 -30.225,-1.814 -29.814,-1.814 v1(-29.75,-1.75) ; v1(-32.5,12) C6.2@-33.25,11.25 -33.25,11.157 -32.254,10.161 U1.131@-32.254,10.122 ; Q1.3@-30.8,95.075 -30.65,95.075 -30.5,94.925 -30.5,94.275 v1(-30.487,94.263) ; v1(-30.5,14) C7.2@-29.75,14.75 -29.108,14.108 -29.108,14.086 -28.718,13.697 U1.121@-28.718,13.658 ; C9.2@-27.75,-9.5 v1(-27,-8.75) -27.376,-8.374 -27.376,-8.126 -26.629,-7.379 U1.30@-26.597,-7.379 ; v1(-26.25,-13.5) -26.245,-13.5 -25.735,-12.99 -25.381,-12.99 R1.1@-25.311,-13.061 -24.957,-13.061 -24.582,-13.436 -24.314,-13.436 v1(-24.25,-13.5) ; v1(-25.75,80) C45.2@-24.75,80 ; U1.33@-25.536,-8.44 -25.497,-8.44 -24.558,-7.5 v1(-24.5,-7.5) ; v1(-23.5,75.025) R38.2@-23.5,76.25 ; R35.2@-23.5,77.75 v1(-23.5,78.775) ; U1.39@-21.117,-8.793 -21.117,-8.832 -20.5,-9.449 -20.5,-9.531 -20.25,-9.781 C14.2@-20.25,-10 ; C14.2@-20.369,-10.119 v1(-19.619,-10.869) ; v1(-18.5,12.5) -18.436,12.564 -18.007,12.564 -17.267,13.304 U1.95@-17.228,13.304 -16.413,14.119 -16.412,14.119 -16.375,14.156 -15.918,14.156 C12.2@-15.881,14.119 ; C81.2@-18.25,92.15 -18.198,92.15 -17.287,93.061 -17.164,93.061 v1(-17.1,93.125) ; R64.2@-17.75,82 -17.7,81.95 -17.7,80.95 v1(-17.65,80.9) ; U1.52@-16.521,-4.197 -16.521,-4.213 -15.5,-5.234 C15.2@-15.5,-5.25 v1(-14.75,-6) ; v1(-16.05,80.9) -15.986,80.964 -15.986,81.764 R63.2@-15.75,82 ; v1(-14.25,8.75) -14.186,8.814 -13.979,8.814 -13.378,9.415 U1.84@-13.339,9.415 -12.541,10.213 -12.037,10.213 C16.2@-12,10.25 -11.841,10.25 -11.291,10.8 v1(-11.2,10.8) ; C94.2@-13,38 -12.809,38.191 -11.575,38.191 -11.45,38.316 U17.6@-11.45,38.6 ; U1.62@-12.985,-0.661 -12.946,-0.661 -12.107,-1.5 C8.2@-11.75,-1.5 v1(-11,-0.75) ; v1(-12.2,89.825) -12.109,89.825 -11.884,89.6 -11.5,89.6 -11.25,89.35 R62.1@-11.25,89.25 ; U17.6@-11.475,38.6 -11.475,40.475 v1(-11.5,40.5) -11.436,40.564 -11.436,42.064 J5.1@-11.25,42.25 ; R58.1@-9.725,92.225 R58.1@-9.75,92.25 -9.75,90.75 -9.737,90.737 -8.713,90.737 v1(-8.7,90.725) ; U1.72@-9.45,2.874 -9.278,2.702 -9.238,2.702 -8.727,3.213 -8.287,3.213 -8.287,3.287 v1(-9,4) ; v1(-7,94.25) R69.1@-6,94.25
  Top Layer w0.5: R81.2@-40.03,-4.03 -40.03,-4.061 -39.061,-5.03 R80.2@-39.061,-5.061 ; v1(-40,17) R95.2@-38.75,17 ; v1(-39.75,-5.75) R80.2@-39.061,-5.061 ; R96.2@-38.061,-6.061 R80.2@-39.061,-5.061 ; R49.2@-34.25,17 R48.2@-32.75,17 v1@-31.5,17
  other v1: -39,3.75 -39,5.25 -39,6.75 -31.5,17 -22.5,18.25 -23.5,18.5 -21.25,19 -25.25,36.75 -24.25,36.75 -25.25,37.75 -24.25,37.75 -25.25,38.75 -24.25,38.75 -25.25,39.75 -24.25,39.75 -22,47.75 -20.5,47.75 -22,63.5 -20.5,63.5 -30.5,80.275 -29.75,80.275 -30.25,91.5 -22.75,92.5
3V3_INA: C23_B1.2 C23_B2.2 C23_B3.2 C23_B4.2 C23_B5.2 C24_B1.2 C24_B2.2 C24_B3.2 C24_B4.2 C24_B5.2 C50_B1.2 C50_B2.2 C50_B3.2 C50_B4.2 C50_B5.2 C52_B1.2 C52_B2.2 C52_B3.2 C52_B4.2 C52_B5.2 C60.2 C87_B1.2 C87_B2.2 C87_B3.2 C87_B4.2 C87_B5.2 C88_B1.2 C88_B2.2 C88_B3.2 C88_B4.2 C88_B5.2 R9_B1.2 R9_B2.2 R9_B3.2 R9_B4.2 R9_B5.2 R11_B1.2 R11_B3.2 R11_B5.2 R13_B3.2 R13_B4.2 R16_B1.2 R16_B2.2 R16_B3.2 R16_B4.2 R16_B5.2 R45_B1.1 R45_B2.1 R45_B3.1 R45_B4.1 R45_B5.1 R68.1 R86_B3.1 R86_B4.1 U5_B1.6 U5_B2.6 U5_B3.6 U5_B4.6 U5_B5.6 U6_B1.6 U6_B2.6 U6_B3.6 U6_B4.6 U6_B5.6 U12.4 U12.5 U16_B1.1 U16_B2.1 U16_B3.1 U16_B4.1 U16_B5.1 | length 163.5
  Top Layer w0.3: R68.1@-6,92 -6,91.9 -5.314,91.214 -5.314,90.814 v1(-5.25,90.75) ; v1(13.75,20.75) 13.814,20.686 13.814,20.286 14.75,19.35 R16_B1.2@14.75,19.25 ; R45_B1.1@17.5,16 17.75,16.25 v1(18.5,16.25) ; v1(20,56.75) R9_B1.2@20,57.75 ; v1(20,86.75) 20,86.841 20.25,87.091 20.25,87.5 R11_B1.2@20.5,87.75 ; v1(35.75,20.5) 35.814,20.436 35.814,20.286 36.75,19.35 R16_B2.2@36.75,19.25 ; R45_B2.1@39.5,16 39.75,16.25 v1(40.5,16.25) ; v1(42,56.75) R9_B2.2@42,57.75 ; v1(58,20.25) 58.064,20.186 58.064,20.036 58.75,19.35 R16_B3.2@58.75,19.25 ; R45_B3.1@61.5,16 61.75,16.25 v1(62.5,16.25) ; v1(64,56.75) R9_B3.2@64,57.75 ; v1(64,86.75) 64,86.841 64.25,87.091 64.25,87.5 R11_B3.2@64.5,87.75 ; R86_B3.1@64.5,30.75 64.6,30.75 65.786,29.564 65.936,29.564 v1(66,29.5) ; v1(80,20.5) 80.064,20.436 80.064,20.036 80.75,19.35 R16_B4.2@80.75,19.25 ; R45_B4.1@83.5,16 83.75,16.25 v1(84.5,16.25) ; v1(86,56.75) R9_B4.2@86,57.75 ; R86_B4.1@86.5,30.75 86.6,30.75 87.536,29.814 87.686,29.814 v1(87.75,29.75) ; v1(102.5,20.5) 102.564,20.436 102.564,19.436 R16_B5.2@102.75,19.25 ; R45_B5.1@105.5,16 106.75,16 v1@107.5,15.25 ; v1(108,56.75) R9_B5.2@108,57.75 ; v1(108.004,86.63) 108.004,86.721 108.25,86.967 108.25,87.5 R11_B5.2@108.5,87.75
  Layer 3 w0.3: 20,29.75 v1(20,56.75) ; 42,29.75 v1(42,56.75) ; 64,29.75 v1(64,56.75) ; 86,29.75 v1(86,56.75) ; 108,29.75 v1(108,56.75)
  other v1: 107.417,15.26 17.25,21.75 39.25,21.75 61.25,21.75 83.25,21.75 105,21.75 19.5,22 41.5,22 63.5,22 85.5,22.012 107.5,22 12.75,28 56.75,28 78.75,28 100.75,28 34.75,28.25 -18.5,54 -17.5,54 -18.5,54.75 -17.5,54.75 -18.5,55.5 -17.5,55.5 -18.5,56.25 -17.5,56.25 15.25,86.75 16,86.75 37.25,86.75 38,86.75 59.25,86.75 60,86.75 81.25,86.75 82,86.75 103.25,86.75 104,86.75
5V: C20.2 C21.2 C25_B1.2 C25_B2.2 C25_B3.2 C25_B4.2 C25_B5.2 C47.2 C51_B1.2 C51_B2.2 C51_B3.2 C51_B4.2 C51_B5.2 C55.2 C56.2 C59.2 P1.2 P1.4 P1.6 R47.1 R52.1 R70.1 U3.3 U7_B1.14 U7_B2.14 U7_B3.14 U7_B4.14 U7_B5.14 U8.6 U10.3 U12.6 | length 155.6
  Top Layer w0.203: v1(-26.156,49.004) -26.039,49.004 -25.919,49.124 U10.3@-25.249,49.124 ; C25_B1.2@7,61 7.885,61 8.21,61.325 U7_B1.14@8.9,61.325 ; C25_B2.2@29,61 29.885,61 30.21,61.325 U7_B2.14@30.9,61.325 ; C25_B3.2@51,61 51.885,61 52.21,61.325 U7_B3.14@52.9,61.325 ; C25_B4.2@73,61 73.885,61 74.21,61.325 U7_B4.14@74.9,61.325 ; C25_B5.2@95,61 95.885,61 96.21,61.325 U7_B5.14@96.9,61.325
  Top Layer w0.3: v1(-26.5,63.75) -26.436,63.814 -26.436,64.564 -26.25,64.75 -26.239,64.75 -26.064,64.925 U3.3@-25.448,64.925 ; R52.1@-23.824,58.51 -23.75,58.584 v1(-23.75,59.5) ; R47.1@-18.95,35.05 -18.95,34.291 -18.75,34.091 v1(-18.75,34) ; R70.1@-6,89.75 -6,89.65 -2,85.65 v1(-2,82.5)
  Top Layer w0.5: v1(-26.25,61.25) v1(-26.25,62) -26.213,62 -25.936,62.277 -25.223,62.277 C21.2@-25,62.5 C20.2@-23.5,62.5 ; v1(-25,47.75) C55.2@-25,46.75 C56.2@-23.5,46.75 ; C51_B1.2@5.5,61 C25_B1.2@7,61 ; C51_B2.2@27.5,61 C25_B2.2@29,61 ; C51_B3.2@49.5,61 C25_B3.2@51,61 ; C51_B4.2@71.5,61 C25_B4.2@73,61 ; C51_B5.2@93.5,61 C25_B5.2@95,61
  Top Layer w0.75: v1(2.75,61) C51_B1.2@5.5,61 ; v1(24.75,61) C51_B2.2@27.5,61 ; v1(46.75,61) C51_B3.2@49.5,61 ; v1(68.75,61) C51_B4.2@71.5,61 ; v1(90.75,61) C51_B5.2@93.5,61
  Layer 3 w1: 0.25,79.25 0.25,63.5 v1(2.75,61) v1(3.5,61) v1(4.25,61) ; 22.25,79.25 22.25,63.5 v1(24.75,61) v1(25.5,61) v1@26.25,61 ; 44.25,79.25 44.25,63.5 v1(46.75,61) v1(47.5,61) v1(48.25,61) ; 66.25,79.25 66.25,63.5 v1(68.75,61) v1(69.5,61) v1(70.25,61) ; 88.25,79.25 88.25,63.5 v1(90.75,61) v1(91.5,61) v1(92.25,61)
  other v1: -25.25,34 -24.25,34 -25.25,34.75 -24.25,34.75 -25.25,35.5 -24.25,35.5 -18.75,57.75 -17.75,57.75 -18.75,58.5 -17.75,58.5 -18.75,59.25 -17.75,59.25 26.25,61.021 -2,79.5 -1,79.5 -2,80.5 -1,80.5 -2,81.5 -1,81.5 -1,82.5
5V_REG: C72.1 C73.1 C74.1 C75.1 L2.2 P1.5 R8.2 | length 16.1
  Top Layer w0.3: C73.1@-32.5,51 -32.5,51.201 -31,52.701 -31,65.75 -31.15,65.9 -31.15,66 -31.4,66.25 R8.2@-31.5,66.25
5V_STLINK: J3.1 P1.3 R39.1 | length 66.9
  Top Layer w0.3: v1(-37.25,93) -37.208,92.958 -36.483,92.958 -36.35,92.825 -36.25,92.825 -36,92.575 R39.1@-36,92.475
  Bottom Layer w1: P1.3@-33.5,44.75 -40.957,52.207 -41.25,52.5 -41.25,75.669 -40.957,75.962 -40.828,76.091 ccw(c-42.5,80) -38.248,80 ccw(c-42.5,80) -39.686,83.187 -39.707,83.208 -40,83.501 -40,90.25 v1(-37.25,93) -37.25,94.5 -32.5,99.25 v1(-31.75,99.25) v1(-30.75,99.25) v1(-29.75,99.25)
5V_USB: C79.2 C82.2 C83.2 J10.1 P1.1 R61.2 U14.7 | length 66.7
  Top Layer w0.203: v1(-17.2,91.425) -17.2,91.308 -17.093,91.201 -17.093,90.867 -17.077,90.85 U14.7@-16.801,90.85
  Top Layer w0.5: v1(-19.5,95.025) -19.488,95.012 -18.262,95.012 C79.2@-18.25,95
  Bottom Layer w0.203: -19.5,91.4 -19.475,91.425 v1(-17.2,91.425)
  Bottom Layer w1: P1.1@-30.96,44.75 -29.75,45.96 -29.75,58.032 -30.602,58.884 -30.602,70.956 -29.75,71.808 -29.75,74 -19.5,84.25 -19.5,89.125 -19.5,91.4 v1(-19.5,95.025) -19.5,98.5 v1(-18.75,99.25) v1(-17.75,99.25) v1(-16.75,99.25)
  other v1: -19.8,89.125